# KiCad board demomatrix.kicad_pcb (continued)
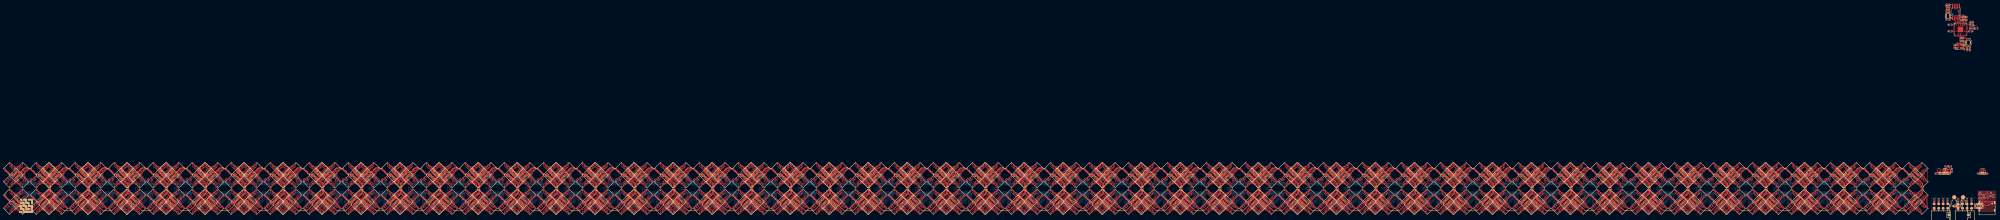
[diagram p0: board, top side]
## Placement (name value [footprint] x y rotation side) (continued)
LED601  -  [LED-SMD_8P-L5.0-W5.0-P1.20_HL-5050RGBW-S1-A27]  -423.39 9.29 45 top
LED602  -  [LED-SMD_8P-L5.0-W5.0-P1.20_HL-5050RGBW-S1-A27]  -415.99 9.29 315 top
LED603  -  [LED-SMD_8P-L5.0-W5.0-P1.20_HL-5050RGBW-S1-A27]  -415.99 1.89 225 top
LED604  -  [LED-SMD_8P-L5.0-W5.0-P1.20_HL-5050RGBW-S1-A27]  -423.39 1.89 135 top
LED605  -  [LED-SMD_8P-L5.0-W5.0-P1.20_HL-5050RGBW-S1-A27]  -408.39 9.29 45 top
LED606  -  [LED-SMD_8P-L5.0-W5.0-P1.20_HL-5050RGBW-S1-A27]  -400.99 9.29 315 top
LED607  -  [LED-SMD_8P-L5.0-W5.0-P1.20_HL-5050RGBW-S1-A27]  -400.99 1.89 225 top
LED608  -  [LED-SMD_8P-L5.0-W5.0-P1.20_HL-5050RGBW-S1-A27]  -408.39 1.89 135 top
LED609  -  [LED-SMD_8P-L5.0-W5.0-P1.20_HL-5050RGBW-S1-A27]  -401.39 24.29 45 top
LED610  -  [LED-SMD_8P-L5.0-W5.0-P1.20_HL-5050RGBW-S1-A27]  -393.99 24.29 315 top
LED611  -  [LED-SMD_8P-L5.0-W5.0-P1.20_HL-5050RGBW-S1-A27]  -393.99 16.89 225 top
LED612  -  [LED-SMD_8P-L5.0-W5.0-P1.20_HL-5050RGBW-S1-A27]  -401.39 16.89 135 top
LED613  -  [LED-SMD_8P-L5.0-W5.0-P1.20_HL-5050RGBW-S1-A27]  -386.39 24.29 45 top
LED614  -  [LED-SMD_8P-L5.0-W5.0-P1.20_HL-5050RGBW-S1-A27]  -378.99 24.29 315 top
LED615  -  [LED-SMD_8P-L5.0-W5.0-P1.20_HL-5050RGBW-S1-A27]  -378.99 16.89 225 top
LED616  -  [LED-SMD_8P-L5.0-W5.0-P1.20_HL-5050RGBW-S1-A27]  -386.39 16.89 135 top
LED617  -  [LED-SMD_8P-L5.0-W5.0-P1.20_HL-5050RGBW-S1-A27]  -401.39 9.29 45 top
LED618  -  [LED-SMD_8P-L5.0-W5.0-P1.20_HL-5050RGBW-S1-A27]  -393.99 9.29 315 top
LED619  -  [LED-SMD_8P-L5.0-W5.0-P1.20_HL-5050RGBW-S1-A27]  -393.99 1.89 225 top
LED620  -  [LED-SMD_8P-L5.0-W5.0-P1.20_HL-5050RGBW-S1-A27]  -401.39 1.89 135 top
LED621  -  [LED-SMD_8P-L5.0-W5.0-P1.20_HL-5050RGBW-S1-A27]  -386.39 9.29 45 top
LED622  -  [LED-SMD_8P-L5.0-W5.0-P1.20_HL-5050RGBW-S1-A27]  -378.99 9.29 315 top
LED623  -  [LED-SMD_8P-L5.0-W5.0-P1.20_HL-5050RGBW-S1-A27]  -378.99 1.89 225 top
LED624  -  [LED-SMD_8P-L5.0-W5.0-P1.20_HL-5050RGBW-S1-A27]  -386.39 1.89 135 top
LED625  -  [LED-SMD_8P-L5.0-W5.0-P1.20_HL-5050RGBW-S1-A27]  -379.39 24.29 45 top
LED626  -  [LED-SMD_8P-L5.0-W5.0-P1.20_HL-5050RGBW-S1-A27]  -371.99 24.29 315 top
LED627  -  [LED-SMD_8P-L5.0-W5.0-P1.20_HL-5050RGBW-S1-A27]  -371.99 16.89 225 top
LED628  -  [LED-SMD_8P-L5.0-W5.0-P1.20_HL-5050RGBW-S1-A27]  -379.39 16.89 135 top
LED629  -  [LED-SMD_8P-L5.0-W5.0-P1.20_HL-5050RGBW-S1-A27]  -364.39 24.29 45 top
LED630  -  [LED-SMD_8P-L5.0-W5.0-P1.20_HL-5050RGBW-S1-A27]  -356.99 24.29 315 top
LED631  -  [LED-SMD_8P-L5.0-W5.0-P1.20_HL-5050RGBW-S1-A27]  -356.99 16.89 225 top
LED632  -  [LED-SMD_8P-L5.0-W5.0-P1.20_HL-5050RGBW-S1-A27]  -364.39 16.89 135 top
LED633  -  [LED-SMD_8P-L5.0-W5.0-P1.20_HL-5050RGBW-S1-A27]  -379.39 9.29 45 top
LED634  -  [LED-SMD_8P-L5.0-W5.0-P1.20_HL-5050RGBW-S1-A27]  -371.99 9.29 315 top
LED635  -  [LED-SMD_8P-L5.0-W5.0-P1.20_HL-5050RGBW-S1-A27]  -371.99 1.89 225 top
LED636  -  [LED-SMD_8P-L5.0-W5.0-P1.20_HL-5050RGBW-S1-A27]  -379.39 1.89 135 top
LED637  -  [LED-SMD_8P-L5.0-W5.0-P1.20_HL-5050RGBW-S1-A27]  -364.39 9.29 45 top
LED638  -  [LED-SMD_8P-L5.0-W5.0-P1.20_HL-5050RGBW-S1-A27]  -356.99 9.29 315 top
LED639  -  [LED-SMD_8P-L5.0-W5.0-P1.20_HL-5050RGBW-S1-A27]  -356.99 1.89 225 top
LED640  -  [LED-SMD_8P-L5.0-W5.0-P1.20_HL-5050RGBW-S1-A27]  -364.39 1.89 135 top
LED641  -  [LED-SMD_8P-L5.0-W5.0-P1.20_HL-5050RGBW-S1-A27]  -335.39 24.29 45 top
LED642  -  [LED-SMD_8P-L5.0-W5.0-P1.20_HL-5050RGBW-S1-A27]  -327.99 24.29 315 top
LED643  -  [LED-SMD_8P-L5.0-W5.0-P1.20_HL-5050RGBW-S1-A27]  -327.99 16.89 225 top
LED644  -  [LED-SMD_8P-L5.0-W5.0-P1.20_HL-5050RGBW-S1-A27]  -335.39 16.89 135 top
LED645  -  [LED-SMD_8P-L5.0-W5.0-P1.20_HL-5050RGBW-S1-A27]  -320.39 24.29 45 top
LED646  -  [LED-SMD_8P-L5.0-W5.0-P1.20_HL-5050RGBW-S1-A27]  -312.99 24.29 315 top
LED647  -  [LED-SMD_8P-L5.0-W5.0-P1.20_HL-5050RGBW-S1-A27]  -312.99 16.89 225 top
LED648  -  [LED-SMD_8P-L5.0-W5.0-P1.20_HL-5050RGBW-S1-A27]  -320.39 16.89 135 top
LED649  -  [LED-SMD_8P-L5.0-W5.0-P1.20_HL-5050RGBW-S1-A27]  -335.39 9.29 45 top
LED650  -  [LED-SMD_8P-L5.0-W5.0-P1.20_HL-5050RGBW-S1-A27]  -327.99 9.29 315 top
LED651  -  [LED-SMD_8P-L5.0-W5.0-P1.20_HL-5050RGBW-S1-A27]  -327.99 1.89 225 top
LED652  -  [LED-SMD_8P-L5.0-W5.0-P1.20_HL-5050RGBW-S1-A27]  -335.39 1.89 135 top
LED653  -  [LED-SMD_8P-L5.0-W5.0-P1.20_HL-5050RGBW-S1-A27]  -320.39 9.29 45 top
LED654  -  [LED-SMD_8P-L5.0-W5.0-P1.20_HL-5050RGBW-S1-A27]  -312.99 9.29 315 top
LED655  -  [LED-SMD_8P-L5.0-W5.0-P1.20_HL-5050RGBW-S1-A27]  -312.99 1.89 225 top
LED656  -  [LED-SMD_8P-L5.0-W5.0-P1.20_HL-5050RGBW-S1-A27]  -320.39 1.89 135 top
LED657  -  [LED-SMD_8P-L5.0-W5.0-P1.20_HL-5050RGBW-S1-A27]  -313.39 24.29 45 top
LED658  -  [LED-SMD_8P-L5.0-W5.0-P1.20_HL-5050RGBW-S1-A27]  -305.99 24.29 315 top
LED659  -  [LED-SMD_8P-L5.0-W5.0-P1.20_HL-5050RGBW-S1-A27]  -305.99 16.89 225 top
LED660  -  [LED-SMD_8P-L5.0-W5.0-P1.20_HL-5050RGBW-S1-A27]  -313.39 16.89 135 top
LED661  -  [LED-SMD_8P-L5.0-W5.0-P1.20_HL-5050RGBW-S1-A27]  -298.39 24.29 45 top
LED662  -  [LED-SMD_8P-L5.0-W5.0-P1.20_HL-5050RGBW-S1-A27]  -290.99 24.29 315 top
LED663  -  [LED-SMD_8P-L5.0-W5.0-P1.20_HL-5050RGBW-S1-A27]  -290.99 16.89 225 top
LED664  -  [LED-SMD_8P-L5.0-W5.0-P1.20_HL-5050RGBW-S1-A27]  -298.39 16.89 135 top
LED665  -  [LED-SMD_8P-L5.0-W5.0-P1.20_HL-5050RGBW-S1-A27]  -313.39 9.29 45 top
LED666  -  [LED-SMD_8P-L5.0-W5.0-P1.20_HL-5050RGBW-S1-A27]  -305.99 9.29 315 top
LED667  -  [LED-SMD_8P-L5.0-W5.0-P1.20_HL-5050RGBW-S1-A27]  -305.99 1.89 225 top
LED668  -  [LED-SMD_8P-L5.0-W5.0-P1.20_HL-5050RGBW-S1-A27]  -313.39 1.89 135 top
LED669  -  [LED-SMD_8P-L5.0-W5.0-P1.20_HL-5050RGBW-S1-A27]  -298.39 9.29 45 top
LED670  -  [LED-SMD_8P-L5.0-W5.0-P1.20_HL-5050RGBW-S1-A27]  -290.99 9.29 315 top
LED671  -  [LED-SMD_8P-L5.0-W5.0-P1.20_HL-5050RGBW-S1-A27]  -290.99 1.89 225 top
LED672  -  [LED-SMD_8P-L5.0-W5.0-P1.20_HL-5050RGBW-S1-A27]  -298.39 1.89 135 top
LED673  -  [LED-SMD_8P-L5.0-W5.0-P1.20_HL-5050RGBW-S1-A27]  -291.39 24.29 45 top
LED674  -  [LED-SMD_8P-L5.0-W5.0-P1.20_HL-5050RGBW-S1-A27]  -283.99 24.29 315 top
LED675  -  [LED-SMD_8P-L5.0-W5.0-P1.20_HL-5050RGBW-S1-A27]  -283.99 16.89 225 top
LED676  -  [LED-SMD_8P-L5.0-W5.0-P1.20_HL-5050RGBW-S1-A27]  -291.39 16.89 135 top
LED677  -  [LED-SMD_8P-L5.0-W5.0-P1.20_HL-5050RGBW-S1-A27]  -276.39 24.29 45 top
LED678  -  [LED-SMD_8P-L5.0-W5.0-P1.20_HL-5050RGBW-S1-A27]  -268.99 24.29 315 top
LED679  -  [LED-SMD_8P-L5.0-W5.0-P1.20_HL-5050RGBW-S1-A27]  -268.99 16.89 225 top
LED680  -  [LED-SMD_8P-L5.0-W5.0-P1.20_HL-5050RGBW-S1-A27]  -276.39 16.89 135 top
LED681  -  [LED-SMD_8P-L5.0-W5.0-P1.20_HL-5050RGBW-S1-A27]  -291.39 9.29 45 top
LED682  -  [LED-SMD_8P-L5.0-W5.0-P1.20_HL-5050RGBW-S1-A27]  -283.99 9.29 315 top
LED683  -  [LED-SMD_8P-L5.0-W5.0-P1.20_HL-5050RGBW-S1-A27]  -283.99 1.89 225 top
LED684  -  [LED-SMD_8P-L5.0-W5.0-P1.20_HL-5050RGBW-S1-A27]  -291.39 1.89 135 top
LED685  -  [LED-SMD_8P-L5.0-W5.0-P1.20_HL-5050RGBW-S1-A27]  -276.39 9.29 45 top
LED686  -  [LED-SMD_8P-L5.0-W5.0-P1.20_HL-5050RGBW-S1-A27]  -268.99 9.29 315 top
LED687  -  [LED-SMD_8P-L5.0-W5.0-P1.20_HL-5050RGBW-S1-A27]  -268.99 1.89 225 top
LED688  -  [LED-SMD_8P-L5.0-W5.0-P1.20_HL-5050RGBW-S1-A27]  -276.39 1.89 135 top
LED689  -  [LED-SMD_8P-L5.0-W5.0-P1.20_HL-5050RGBW-S1-A27]  -269.39 24.29 45 top
LED690  -  [LED-SMD_8P-L5.0-W5.0-P1.20_HL-5050RGBW-S1-A27]  -261.99 24.29 315 top
LED691  -  [LED-SMD_8P-L5.0-W5.0-P1.20_HL-5050RGBW-S1-A27]  -261.99 16.89 225 top
LED692  -  [LED-SMD_8P-L5.0-W5.0-P1.20_HL-5050RGBW-S1-A27]  -269.39 16.89 135 top
LED693  -  [LED-SMD_8P-L5.0-W5.0-P1.20_HL-5050RGBW-S1-A27]  -254.39 24.29 45 top
LED694  -  [LED-SMD_8P-L5.0-W5.0-P1.20_HL-5050RGBW-S1-A27]  -246.99 24.29 315 top
LED695  -  [LED-SMD_8P-L5.0-W5.0-P1.20_HL-5050RGBW-S1-A27]  -246.99 16.89 225 top
LED696  -  [LED-SMD_8P-L5.0-W5.0-P1.20_HL-5050RGBW-S1-A27]  -254.39 16.89 135 top
LED697  -  [LED-SMD_8P-L5.0-W5.0-P1.20_HL-5050RGBW-S1-A27]  -269.39 9.29 45 top
LED698  -  [LED-SMD_8P-L5.0-W5.0-P1.20_HL-5050RGBW-S1-A27]  -261.99 9.29 315 top
LED699  -  [LED-SMD_8P-L5.0-W5.0-P1.20_HL-5050RGBW-S1-A27]  -261.99 1.89 225 top
LED700  -  [LED-SMD_8P-L5.0-W5.0-P1.20_HL-5050RGBW-S1-A27]  -269.39 1.89 135 top
LED701  -  [LED-SMD_8P-L5.0-W5.0-P1.20_HL-5050RGBW-S1-A27]  -254.39 9.29 45 top
LED702  -  [LED-SMD_8P-L5.0-W5.0-P1.20_HL-5050RGBW-S1-A27]  -246.99 9.29 315 top
LED703  -  [LED-SMD_8P-L5.0-W5.0-P1.20_HL-5050RGBW-S1-A27]  -246.99 1.89 225 top
LED704  -  [LED-SMD_8P-L5.0-W5.0-P1.20_HL-5050RGBW-S1-A27]  -254.39 1.89 135 top
LED705  -  [LED-SMD_8P-L5.0-W5.0-P1.20_HL-5050RGBW-S1-A27]  -247.39 24.29 45 top
LED706  -  [LED-SMD_8P-L5.0-W5.0-P1.20_HL-5050RGBW-S1-A27]  -239.99 24.29 315 top
LED707  -  [LED-SMD_8P-L5.0-W5.0-P1.20_HL-5050RGBW-S1-A27]  -239.99 16.89 225 top
LED708  -  [LED-SMD_8P-L5.0-W5.0-P1.20_HL-5050RGBW-S1-A27]  -247.39 16.89 135 top
LED709  -  [LED-SMD_8P-L5.0-W5.0-P1.20_HL-5050RGBW-S1-A27]  -232.39 24.29 45 top
LED710  -  [LED-SMD_8P-L5.0-W5.0-P1.20_HL-5050RGBW-S1-A27]  -224.99 24.29 315 top
LED711  -  [LED-SMD_8P-L5.0-W5.0-P1.20_HL-5050RGBW-S1-A27]  -224.99 16.89 225 top
LED712  -  [LED-SMD_8P-L5.0-W5.0-P1.20_HL-5050RGBW-S1-A27]  -232.39 16.89 135 top
LED713  -  [LED-SMD_8P-L5.0-W5.0-P1.20_HL-5050RGBW-S1-A27]  -247.39 9.29 45 top
LED714  -  [LED-SMD_8P-L5.0-W5.0-P1.20_HL-5050RGBW-S1-A27]  -239.99 9.29 315 top
LED715  -  [LED-SMD_8P-L5.0-W5.0-P1.20_HL-5050RGBW-S1-A27]  -239.99 1.89 225 top
LED716  -  [LED-SMD_8P-L5.0-W5.0-P1.20_HL-5050RGBW-S1-A27]  -247.39 1.89 135 top
LED717  -  [LED-SMD_8P-L5.0-W5.0-P1.20_HL-5050RGBW-S1-A27]  -232.39 9.29 45 top
LED718  -  [LED-SMD_8P-L5.0-W5.0-P1.20_HL-5050RGBW-S1-A27]  -224.99 9.29 315 top
LED719  -  [LED-SMD_8P-L5.0-W5.0-P1.20_HL-5050RGBW-S1-A27]  -224.99 1.89 225 top
LED720  -  [LED-SMD_8P-L5.0-W5.0-P1.20_HL-5050RGBW-S1-A27]  -232.39 1.89 135 top
LED721  -  [LED-SMD_8P-L5.0-W5.0-P1.20_HL-5050RGBW-S1-A27]  -225.39 24.29 45 top
LED722  -  [LED-SMD_8P-L5.0-W5.0-P1.20_HL-5050RGBW-S1-A27]  -217.99 24.29 315 top
LED723  -  [LED-SMD_8P-L5.0-W5.0-P1.20_HL-5050RGBW-S1-A27]  -217.99 16.89 225 top
LED724  -  [LED-SMD_8P-L5.0-W5.0-P1.20_HL-5050RGBW-S1-A27]  -225.39 16.89 135 top
LED725  -  [LED-SMD_8P-L5.0-W5.0-P1.20_HL-5050RGBW-S1-A27]  -210.39 24.29 45 top
LED726  -  [LED-SMD_8P-L5.0-W5.0-P1.20_HL-5050RGBW-S1-A27]  -202.99 24.29 315 top
LED727  -  [LED-SMD_8P-L5.0-W5.0-P1.20_HL-5050RGBW-S1-A27]  -202.99 16.89 225 top
LED728  -  [LED-SMD_8P-L5.0-W5.0-P1.20_HL-5050RGBW-S1-A27]  -210.39 16.89 135 top
LED729  -  [LED-SMD_8P-L5.0-W5.0-P1.20_HL-5050RGBW-S1-A27]  -225.39 9.29 45 top
LED730  -  [LED-SMD_8P-L5.0-W5.0-P1.20_HL-5050RGBW-S1-A27]  -217.99 9.29 315 top
LED731  -  [LED-SMD_8P-L5.0-W5.0-P1.20_HL-5050RGBW-S1-A27]  -217.99 1.89 225 top
LED732  -  [LED-SMD_8P-L5.0-W5.0-P1.20_HL-5050RGBW-S1-A27]  -225.39 1.89 135 top
LED733  -  [LED-SMD_8P-L5.0-W5.0-P1.20_HL-5050RGBW-S1-A27]  -210.39 9.29 45 top
LED734  -  [LED-SMD_8P-L5.0-W5.0-P1.20_HL-5050RGBW-S1-A27]  -202.99 9.29 315 top
LED735  -  [LED-SMD_8P-L5.0-W5.0-P1.20_HL-5050RGBW-S1-A27]  -202.99 1.89 225 top
LED736  -  [LED-SMD_8P-L5.0-W5.0-P1.20_HL-5050RGBW-S1-A27]  -210.39 1.89 135 top
LED737  -  [LED-SMD_8P-L5.0-W5.0-P1.20_HL-5050RGBW-S1-A27]  -203.39 24.29 45 top
LED738  -  [LED-SMD_8P-L5.0-W5.0-P1.20_HL-5050RGBW-S1-A27]  -195.99 24.29 315 top
LED739  -  [LED-SMD_8P-L5.0-W5.0-P1.20_HL-5050RGBW-S1-A27]  -195.99 16.89 225 top
LED740  -  [LED-SMD_8P-L5.0-W5.0-P1.20_HL-5050RGBW-S1-A27]  -203.39 16.89 135 top
LED741  -  [LED-SMD_8P-L5.0-W5.0-P1.20_HL-5050RGBW-S1-A27]  -188.39 24.29 45 top
LED742  -  [LED-SMD_8P-L5.0-W5.0-P1.20_HL-5050RGBW-S1-A27]  -180.99 24.29 315 top
LED743  -  [LED-SMD_8P-L5.0-W5.0-P1.20_HL-5050RGBW-S1-A27]  -180.99 16.89 225 top
LED744  -  [LED-SMD_8P-L5.0-W5.0-P1.20_HL-5050RGBW-S1-A27]  -188.39 16.89 135 top
LED745  -  [LED-SMD_8P-L5.0-W5.0-P1.20_HL-5050RGBW-S1-A27]  -203.39 9.29 45 top
LED746  -  [LED-SMD_8P-L5.0-W5.0-P1.20_HL-5050RGBW-S1-A27]  -195.99 9.29 315 top
LED747  -  [LED-SMD_8P-L5.0-W5.0-P1.20_HL-5050RGBW-S1-A27]  -195.99 1.89 225 top
LED748  -  [LED-SMD_8P-L5.0-W5.0-P1.20_HL-5050RGBW-S1-A27]  -203.39 1.89 135 top
LED749  -  [LED-SMD_8P-L5.0-W5.0-P1.20_HL-5050RGBW-S1-A27]  -188.39 9.29 45 top
LED750  -  [LED-SMD_8P-L5.0-W5.0-P1.20_HL-5050RGBW-S1-A27]  -180.99 9.29 315 top
LED751  -  [LED-SMD_8P-L5.0-W5.0-P1.20_HL-5050RGBW-S1-A27]  -180.99 1.89 225 top
LED752  -  [LED-SMD_8P-L5.0-W5.0-P1.20_HL-5050RGBW-S1-A27]  -188.39 1.89 135 top
LED753  -  [LED-SMD_8P-L5.0-W5.0-P1.20_HL-5050RGBW-S1-A27]  -181.39 24.29 45 top
LED754  -  [LED-SMD_8P-L5.0-W5.0-P1.20_HL-5050RGBW-S1-A27]  -173.99 24.29 315 top
LED755  -  [LED-SMD_8P-L5.0-W5.0-P1.20_HL-5050RGBW-S1-A27]  -173.99 16.89 225 top
LED756  -  [LED-SMD_8P-L5.0-W5.0-P1.20_HL-5050RGBW-S1-A27]  -181.39 16.89 135 top
LED757  -  [LED-SMD_8P-L5.0-W5.0-P1.20_HL-5050RGBW-S1-A27]  -166.39 24.29 45 top
LED758  -  [LED-SMD_8P-L5.0-W5.0-P1.20_HL-5050RGBW-S1-A27]  -158.99 24.29 315 top
LED759  -  [LED-SMD_8P-L5.0-W5.0-P1.20_HL-5050RGBW-S1-A27]  -158.99 16.89 225 top
LED760  -  [LED-SMD_8P-L5.0-W5.0-P1.20_HL-5050RGBW-S1-A27]  -166.39 16.89 135 top
LED761  -  [LED-SMD_8P-L5.0-W5.0-P1.20_HL-5050RGBW-S1-A27]  -181.39 9.29 45 top
LED762  -  [LED-SMD_8P-L5.0-W5.0-P1.20_HL-5050RGBW-S1-A27]  -173.99 9.29 315 top
LED763  -  [LED-SMD_8P-L5.0-W5.0-P1.20_HL-5050RGBW-S1-A27]  -173.99 1.89 225 top
LED764  -  [LED-SMD_8P-L5.0-W5.0-P1.20_HL-5050RGBW-S1-A27]  -181.39 1.89 135 top
LED765  -  [LED-SMD_8P-L5.0-W5.0-P1.20_HL-5050RGBW-S1-A27]  -166.39 9.29 45 top
LED766  -  [LED-SMD_8P-L5.0-W5.0-P1.20_HL-5050RGBW-S1-A27]  -158.99 9.29 315 top
LED767  -  [LED-SMD_8P-L5.0-W5.0-P1.20_HL-5050RGBW-S1-A27]  -158.99 1.89 225 top
LED768  -  [LED-SMD_8P-L5.0-W5.0-P1.20_HL-5050RGBW-S1-A27]  -166.39 1.89 135 top
LED769  -  [LED-SMD_8P-L5.0-W5.0-P1.20_HL-5050RGBW-S1-A27]  -159.39 24.29 45 top
LED770  -  [LED-SMD_8P-L5.0-W5.0-P1.20_HL-5050RGBW-S1-A27]  -151.99 24.29 315 top
LED771  -  [LED-SMD_8P-L5.0-W5.0-P1.20_HL-5050RGBW-S1-A27]  -151.99 16.89 225 top
LED772  -  [LED-SMD_8P-L5.0-W5.0-P1.20_HL-5050RGBW-S1-A27]  -159.39 16.89 135 top
LED773  -  [LED-SMD_8P-L5.0-W5.0-P1.20_HL-5050RGBW-S1-A27]  -144.39 24.29 45 top
LED774  -  [LED-SMD_8P-L5.0-W5.0-P1.20_HL-5050RGBW-S1-A27]  -136.99 24.29 315 top
LED775  -  [LED-SMD_8P-L5.0-W5.0-P1.20_HL-5050RGBW-S1-A27]  -136.99 16.89 225 top
LED776  -  [LED-SMD_8P-L5.0-W5.0-P1.20_HL-5050RGBW-S1-A27]  -144.39 16.89 135 top
LED777  -  [LED-SMD_8P-L5.0-W5.0-P1.20_HL-5050RGBW-S1-A27]  -159.39 9.29 45 top
LED778  -  [LED-SMD_8P-L5.0-W5.0-P1.20_HL-5050RGBW-S1-A27]  -151.99 9.29 315 top
LED779  -  [LED-SMD_8P-L5.0-W5.0-P1.20_HL-5050RGBW-S1-A27]  -151.99 1.89 225 top
LED780  -  [LED-SMD_8P-L5.0-W5.0-P1.20_HL-5050RGBW-S1-A27]  -159.39 1.89 135 top
LED781  -  [LED-SMD_8P-L5.0-W5.0-P1.20_HL-5050RGBW-S1-A27]  -144.39 9.29 45 top
LED782  -  [LED-SMD_8P-L5.0-W5.0-P1.20_HL-5050RGBW-S1-A27]  -136.99 9.29 315 top
LED783  -  [LED-SMD_8P-L5.0-W5.0-P1.20_HL-5050RGBW-S1-A27]  -136.99 1.89 225 top
LED784  -  [LED-SMD_8P-L5.0-W5.0-P1.20_HL-5050RGBW-S1-A27]  -144.39 1.89 135 top
LED785  -  [LED0603-RD]  14.29 3.13 0 top
LED786  -  [LED0603-RD]  16.29 3.12 0 top
LED787  -  [LED0603-RD]  23.21 103.72 180 top
LOGO1  -  [atopile_Logo_8x8mm]  -1074.29 3.12 0 top
R1  309Ω ±1% 62.5mW  [R0402]  -1078.33 13.08 90 bottom
R2  309Ω ±1% 62.5mW  [R0402]  -836.33 13.08 90 bottom
R3  309Ω ±1% 62.5mW  [R0402]  -594.33 13.08 90 bottom
R4  309Ω ±1% 62.5mW  [R0402]  -352.33 13.08 90 bottom
R5  309Ω ±1% 62.5mW  [R0402]  -132.33 13.08 90 bottom
R6  309Ω ±1% 62.5mW  [R0402]  -110.33 13.08 90 bottom
R7  309Ω ±1% 62.5mW  [R0402]  -88.33 13.08 90 bottom
R8  309Ω ±1% 62.5mW  [R0402]  -66.33 13.08 90 bottom
R9  309Ω ±1% 62.5mW  [R0402]  -44.33 13.08 90 bottom
R10  309Ω ±1% 62.5mW  [R0402]  -22.33 13.08 90 bottom
R11  309Ω ±1% 62.5mW  [R0402]  -1056.33 13.08 90 bottom
R12  309Ω ±1% 62.5mW  [R0402]  -1034.33 13.08 90 bottom
R13  309Ω ±1% 62.5mW  [R0402]  -1012.33 13.08 90 bottom
R14  309Ω ±1% 62.5mW  [R0402]  -990.33 13.08 90 bottom
R15  309Ω ±1% 62.5mW  [R0402]  -968.33 13.08 90 bottom
R16  309Ω ±1% 62.5mW  [R0402]  -946.33 13.08 90 bottom
R17  309Ω ±1% 62.5mW  [R0402]  -924.33 13.08 90 bottom
R18  309Ω ±1% 62.5mW  [R0402]  -902.33 13.08 90 bottom
R19  309Ω ±1% 62.5mW  [R0402]  -880.33 13.08 90 bottom
R20  309Ω ±1% 62.5mW  [R0402]  -858.33 13.08 90 bottom
R21  309Ω ±1% 62.5mW  [R0402]  -814.33 13.08 90 bottom
R22  309Ω ±1% 62.5mW  [R0402]  -792.33 13.08 90 bottom
R23  309Ω ±1% 62.5mW  [R0402]  -770.33 13.08 90 bottom
R24  309Ω ±1% 62.5mW  [R0402]  -748.33 13.08 90 bottom
R25  309Ω ±1% 62.5mW  [R0402]  -726.33 13.08 90 bottom
R26  309Ω ±1% 62.5mW  [R0402]  -704.33 13.08 90 bottom
R27  309Ω ±1% 62.5mW  [R0402]  -682.33 13.08 90 bottom
R28  309Ω ±1% 62.5mW  [R0402]  -660.33 13.08 90 bottom
R29  309Ω ±1% 62.5mW  [R0402]  -638.33 13.08 90 bottom
R30  309Ω ±1% 62.5mW  [R0402]  -616.33 13.08 90 bottom
R31  309Ω ±1% 62.5mW  [R0402]  -572.33 13.08 90 bottom
R32  309Ω ±1% 62.5mW  [R0402]  -550.33 13.08 90 bottom
R33  309Ω ±1% 62.5mW  [R0402]  -528.33 13.08 90 bottom
R34  309Ω ±1% 62.5mW  [R0402]  -506.33 13.08 90 bottom
R35  309Ω ±1% 62.5mW  [R0402]  -484.33 13.08 90 bottom
R36  309Ω ±1% 62.5mW  [R0402]  -462.33 13.08 90 bottom
R37  309Ω ±1% 62.5mW  [R0402]  -440.33 13.08 90 bottom
R38  309Ω ±1% 62.5mW  [R0402]  -418.33 13.08 90 bottom
R39  309Ω ±1% 62.5mW  [R0402]  -396.33 13.08 90 bottom
R40  309Ω ±1% 62.5mW  [R0402]  -374.33 13.08 90 bottom
R41  309Ω ±1% 62.5mW  [R0402]  -330.33 13.08 90 bottom
R42  309Ω ±1% 62.5mW  [R0402]  -308.33 13.08 90 bottom
R43  309Ω ±1% 62.5mW  [R0402]  -286.33 13.08 90 bottom
R44  309Ω ±1% 62.5mW  [R0402]  -264.33 13.08 90 bottom
R45  309Ω ±1% 62.5mW  [R0402]  -242.33 13.08 90 bottom
R46  309Ω ±1% 62.5mW  [R0402]  -220.33 13.08 90 bottom
R47  309Ω ±1% 62.5mW  [R0402]  -198.33 13.08 90 bottom
R48  309Ω ±1% 62.5mW  [R0402]  -176.33 13.08 90 bottom
R49  309Ω ±1% 62.5mW  [R0402]  -154.33 13.08 90 bottom
R50  1kΩ ±1% 62.5mW  [R0402]  1.95 6.5 270 top
R51  1kΩ ±1% 62.5mW  [R0402]  4.45 6.53 270 top
R52  1kΩ ±1% 62.5mW  [R0402]  6.95 6.6 270 top
R53  1kΩ ±1% 62.5mW  [R0402]  9.45 6.6 270 top
R54  1kΩ ±1% 62.5mW  [R0402]  15.41 6.5 270 top
R55  1kΩ ±1% 62.5mW  [R0402]  17.91 6.53 270 top
R56  1kΩ ±1% 62.5mW  [R0402]  20.41 6.6 270 top
R57  1kΩ ±1% 62.5mW  [R0402]  22.91 6.6 270 top
R58  10kΩ ±1% 62.5mW  [R0402]  10.73 25.66 0 top
R59  18kΩ ±1% 62.5mW  [R0402]  8.73 25.67 0 top
R60  10kΩ ±1% 62.5mW  [R0402]  11.71 3.12 180 top
R61  10kΩ ±1% 62.5mW  [R0402]  13.71 3.12 180 top
R62  10kΩ ±1% 62.5mW  [R0402]  9.71 114.87 0 top
R63  1kΩ ±1% 62.5mW  [R0402]  18.86 95.27 90 top
R64  10kΩ ±1% 62.5mW  [R0402]  25.71 103.72 180 top
R65  10kΩ ±1% 62.5mW  [R0402]  21.21 91.37 180 top
R66  27Ω ±1% 62.5mW  [R0402]  23.21 107.37 180 top
R67  27Ω ±1% 62.5mW  [R0402]  23.21 106.37 180 top
R68  10kΩ ±1% 62.5mW  [R0402]  -1075.29 3.12 0 top
R69  5.1kΩ ±1% 62.5mW  [R0402]  29.46 8.87 90 top
R70  5.1kΩ ±1% 62.5mW  [R0402]  35.21 8.87 90 top
SW1  -  [KEY-SMD_4P-L4.2-W3.2-P2.20-LS4.6]  9.71 110.62 90 top
SW2  -  [KEY-SMD_4P-L4.2-W3.2-P2.20-LS4.6]  21.21 95.62 270 top
SW3  -  [KEY-SMD_4P-L4.2-W3.2-P2.20-LS4.6]  26.71 3.12 0 top
SW4  -  [KEY-SMD_4P-L4.2-W3.2-P2.20-LS4.6]  27.71 3.12 0 top
U1  -  [SSOP-24_L8.8-W4.0-P0.64-LS6.2-BL]  -1072.29 13.12 0 bottom
U2  -  [pixel15]  -1087.19 28.09 0 top
U3  -  [pixel15]  -1072.19 28.09 0 top
U4  -  [pixel15]  -1087.19 13.09 0 top
U5  -  [pixel15]  -1072.19 13.09 0 top
U6  -  [SSOP-24_L8.8-W4.0-P0.64-LS6.2-BL]  -830.29 13.12 0 bottom
U7  -  [pixel15]  -845.19 28.09 0 top
U8  -  [pixel15]  -830.19 28.09 0 top
U9  -  [pixel15]  -845.19 13.09 0 top
U10  -  [pixel15]  -830.19 13.09 0 top
U11  -  [SSOP-24_L8.8-W4.0-P0.64-LS6.2-BL]  -588.29 13.12 0 bottom
U12  -  [pixel15]  -603.19 28.09 0 top
U13  -  [pixel15]  -588.19 28.09 0 top
U14  -  [pixel15]  -603.19 13.09 0 top
U15  -  [pixel15]  -588.19 13.09 0 top
U16  -  [SSOP-24_L8.8-W4.0-P0.64-LS6.2-BL]  -346.29 13.12 0 bottom
U17  -  [pixel15]  -361.19 28.09 0 top
U18  -  [pixel15]  -346.19 28.09 0 top
U19  -  [pixel15]  -361.19 13.09 0 top
U20  -  [pixel15]  -346.19 13.09 0 top
U21  -  [SSOP-24_L8.8-W4.0-P0.64-LS6.2-BL]  -126.29 13.12 0 bottom
U22  -  [pixel15]  -141.19 28.09 0 top
U23  -  [pixel15]  -126.19 28.09 0 top
U24  -  [pixel15]  -141.19 13.09 0 top
U25  -  [pixel15]  -126.19 13.09 0 top
U26  -  [SSOP-24_L8.8-W4.0-P0.64-LS6.2-BL]  -104.29 13.12 0 bottom
U27  -  [pixel15]  -119.19 28.09 0 top
U28  -  [pixel15]  -104.19 28.09 0 top
U29  -  [pixel15]  -119.19 13.09 0 top
U30  -  [pixel15]  -104.19 13.09 0 top
U31  -  [SSOP-24_L8.8-W4.0-P0.64-LS6.2-BL]  -82.29 13.12 0 bottom
U32  -  [pixel15]  -97.19 28.09 0 top
U33  -  [pixel15]  -82.19 28.09 0 top
U34  -  [pixel15]  -97.19 13.09 0 top
U35  -  [pixel15]  -82.19 13.09 0 top
U36  -  [SSOP-24_L8.8-W4.0-P0.64-LS6.2-BL]  -60.29 13.12 0 bottom
U37  -  [pixel15]  -75.19 28.09 0 top
U38  -  [pixel15]  -60.19 28.09 0 top
U39  -  [pixel15]  -75.19 13.09 0 top
U40  -  [pixel15]  -60.19 13.09 0 top
U41  -  [SSOP-24_L8.8-W4.0-P0.64-LS6.2-BL]  -38.29 13.12 0 bottom
U42  -  [pixel15]  -53.19 28.09 0 top
U43  -  [pixel15]  -38.19 28.09 0 top
U44  -  [pixel15]  -53.19 13.09 0 top
U45  -  [pixel15]  -38.19 13.09 0 top
U46  -  [SSOP-24_L8.8-W4.0-P0.64-LS6.2-BL]  -16.29 13.12 0 bottom
U47  -  [pixel15]  -31.19 28.09 0 top
U48  -  [pixel15]  -16.19 28.09 0 top
U49  -  [pixel15]  -31.19 13.09 0 top
U50  -  [pixel15]  -16.19 13.09 0 top
U51  -  [SSOP-24_L8.8-W4.0-P0.64-LS6.2-BL]  -1050.29 13.12 0 bottom
U52  -  [pixel15]  -1065.19 28.09 0 top
U53  -  [pixel15]  -1050.19 28.09 0 top
U54  -  [pixel15]  -1065.19 13.09 0 top
U55  -  [pixel15]  -1050.19 13.09 0 top
U56  -  [SSOP-24_L8.8-W4.0-P0.64-LS6.2-BL]  -1028.29 13.12 0 bottom
U57  -  [pixel15]  -1043.19 28.09 0 top
U58  -  [pixel15]  -1028.19 28.09 0 top
U59  -  [pixel15]  -1043.19 13.09 0 top
U60  -  [pixel15]  -1028.19 13.09 0 top
U61  -  [SSOP-24_L8.8-W4.0-P0.64-LS6.2-BL]  -1006.29 13.12 0 bottom
U62  -  [pixel15]  -1021.19 28.09 0 top
U63  -  [pixel15]  -1006.19 28.09 0 top
U64  -  [pixel15]  -1021.19 13.09 0 top
U65  -  [pixel15]  -1006.19 13.09 0 top
U66  -  [SSOP-24_L8.8-W4.0-P0.64-LS6.2-BL]  -984.29 13.12 0 bottom
U67  -  [pixel15]  -999.19 28.09 0 top
U68  -  [pixel15]  -984.19 28.09 0 top
U69  -  [pixel15]  -999.19 13.09 0 top
U70  -  [pixel15]  -984.19 13.09 0 top
U71  -  [SSOP-24_L8.8-W4.0-P0.64-LS6.2-BL]  -962.29 13.12 0 bottom
U72  -  [pixel15]  -977.19 28.09 0 top
U73  -  [pixel15]  -962.19 28.09 0 top
U74  -  [pixel15]  -977.19 13.09 0 top
U75  -  [pixel15]  -962.19 13.09 0 top
U76  -  [SSOP-24_L8.8-W4.0-P0.64-LS6.2-BL]  -940.29 13.12 0 bottom
U77  -  [pixel15]  -955.19 28.09 0 top
U78  -  [pixel15]  -940.19 28.09 0 top
U79  -  [pixel15]  -955.19 13.09 0 top
U80  -  [pixel15]  -940.19 13.09 0 top
U81  -  [SSOP-24_L8.8-W4.0-P0.64-LS6.2-BL]  -918.29 13.12 0 bottom
U82  -  [pixel15]  -933.19 28.09 0 top
U83  -  [pixel15]  -918.19 28.09 0 top
U84  -  [pixel15]  -933.19 13.09 0 top
U85  -  [pixel15]  -918.19 13.09 0 top
U86  -  [SSOP-24_L8.8-W4.0-P0.64-LS6.2-BL]  -896.29 13.12 0 bottom
U87  -  [pixel15]  -911.19 28.09 0 top
U88  -  [pixel15]  -896.19 28.09 0 top
U89  -  [pixel15]  -911.19 13.09 0 top
U90  -  [pixel15]  -896.19 13.09 0 top
U91  -  [SSOP-24_L8.8-W4.0-P0.64-LS6.2-BL]  -874.29 13.12 0 bottom
U92  -  [pixel15]  -889.19 28.09 0 top
U93  -  [pixel15]  -874.19 28.09 0 top
U94  -  [pixel15]  -889.19 13.09 0 top
U95  -  [pixel15]  -874.19 13.09 0 top
U96  -  [SSOP-24_L8.8-W4.0-P0.64-LS6.2-BL]  -852.29 13.12 0 bottom
U97  -  [pixel15]  -867.19 28.09 0 top
U98  -  [pixel15]  -852.19 28.09 0 top
U99  -  [pixel15]  -867.19 13.09 0 top
U100  -  [pixel15]  -852.19 13.09 0 top
U101  -  [SSOP-24_L8.8-W4.0-P0.64-LS6.2-BL]  -808.29 13.12 0 bottom
U102  -  [pixel15]  -823.19 28.09 0 top
U103  -  [pixel15]  -808.19 28.09 0 top
U104  -  [pixel15]  -823.19 13.09 0 top
U105  -  [pixel15]  -808.19 13.09 0 top
U106  -  [SSOP-24_L8.8-W4.0-P0.64-LS6.2-BL]  -786.29 13.12 0 bottom
U107  -  [pixel15]  -801.19 28.09 0 top
U108  -  [pixel15]  -786.19 28.09 0 top
U109  -  [pixel15]  -801.19 13.09 0 top
U110  -  [pixel15]  -786.19 13.09 0 top
U111  -  [SSOP-24_L8.8-W4.0-P0.64-LS6.2-BL]  -764.29 13.12 0 bottom
U112  -  [pixel15]  -779.19 28.09 0 top
U113  -  [pixel15]  -764.19 28.09 0 top
U114  -  [pixel15]  -779.19 13.09 0 top
U115  -  [pixel15]  -764.19 13.09 0 top
U116  -  [SSOP-24_L8.8-W4.0-P0.64-LS6.2-BL]  -742.29 13.12 0 bottom
U117  -  [pixel15]  -757.19 28.09 0 top
U118  -  [pixel15]  -742.19 28.09 0 top
U119  -  [pixel15]  -757.19 13.09 0 top
U120  -  [pixel15]  -742.19 13.09 0 top
U121  -  [SSOP-24_L8.8-W4.0-P0.64-LS6.2-BL]  -720.29 13.12 0 bottom
U122  -  [pixel15]  -735.19 28.09 0 top
U123  -  [pixel15]  -720.19 28.09 0 top
U124  -  [pixel15]  -735.19 13.09 0 top
U125  -  [pixel15]  -720.19 13.09 0 top
U126  -  [SSOP-24_L8.8-W4.0-P0.64-LS6.2-BL]  -698.29 13.12 0 bottom
U127  -  [pixel15]  -713.19 28.09 0 top
U128  -  [pixel15]  -698.19 28.09 0 top
U129  -  [pixel15]  -713.19 13.09 0 top
U130  -  [pixel15]  -698.19 13.09 0 top
